# Altium PCB UltraZohm_ADC.PcbDoc (part 1 of 4) (continued)
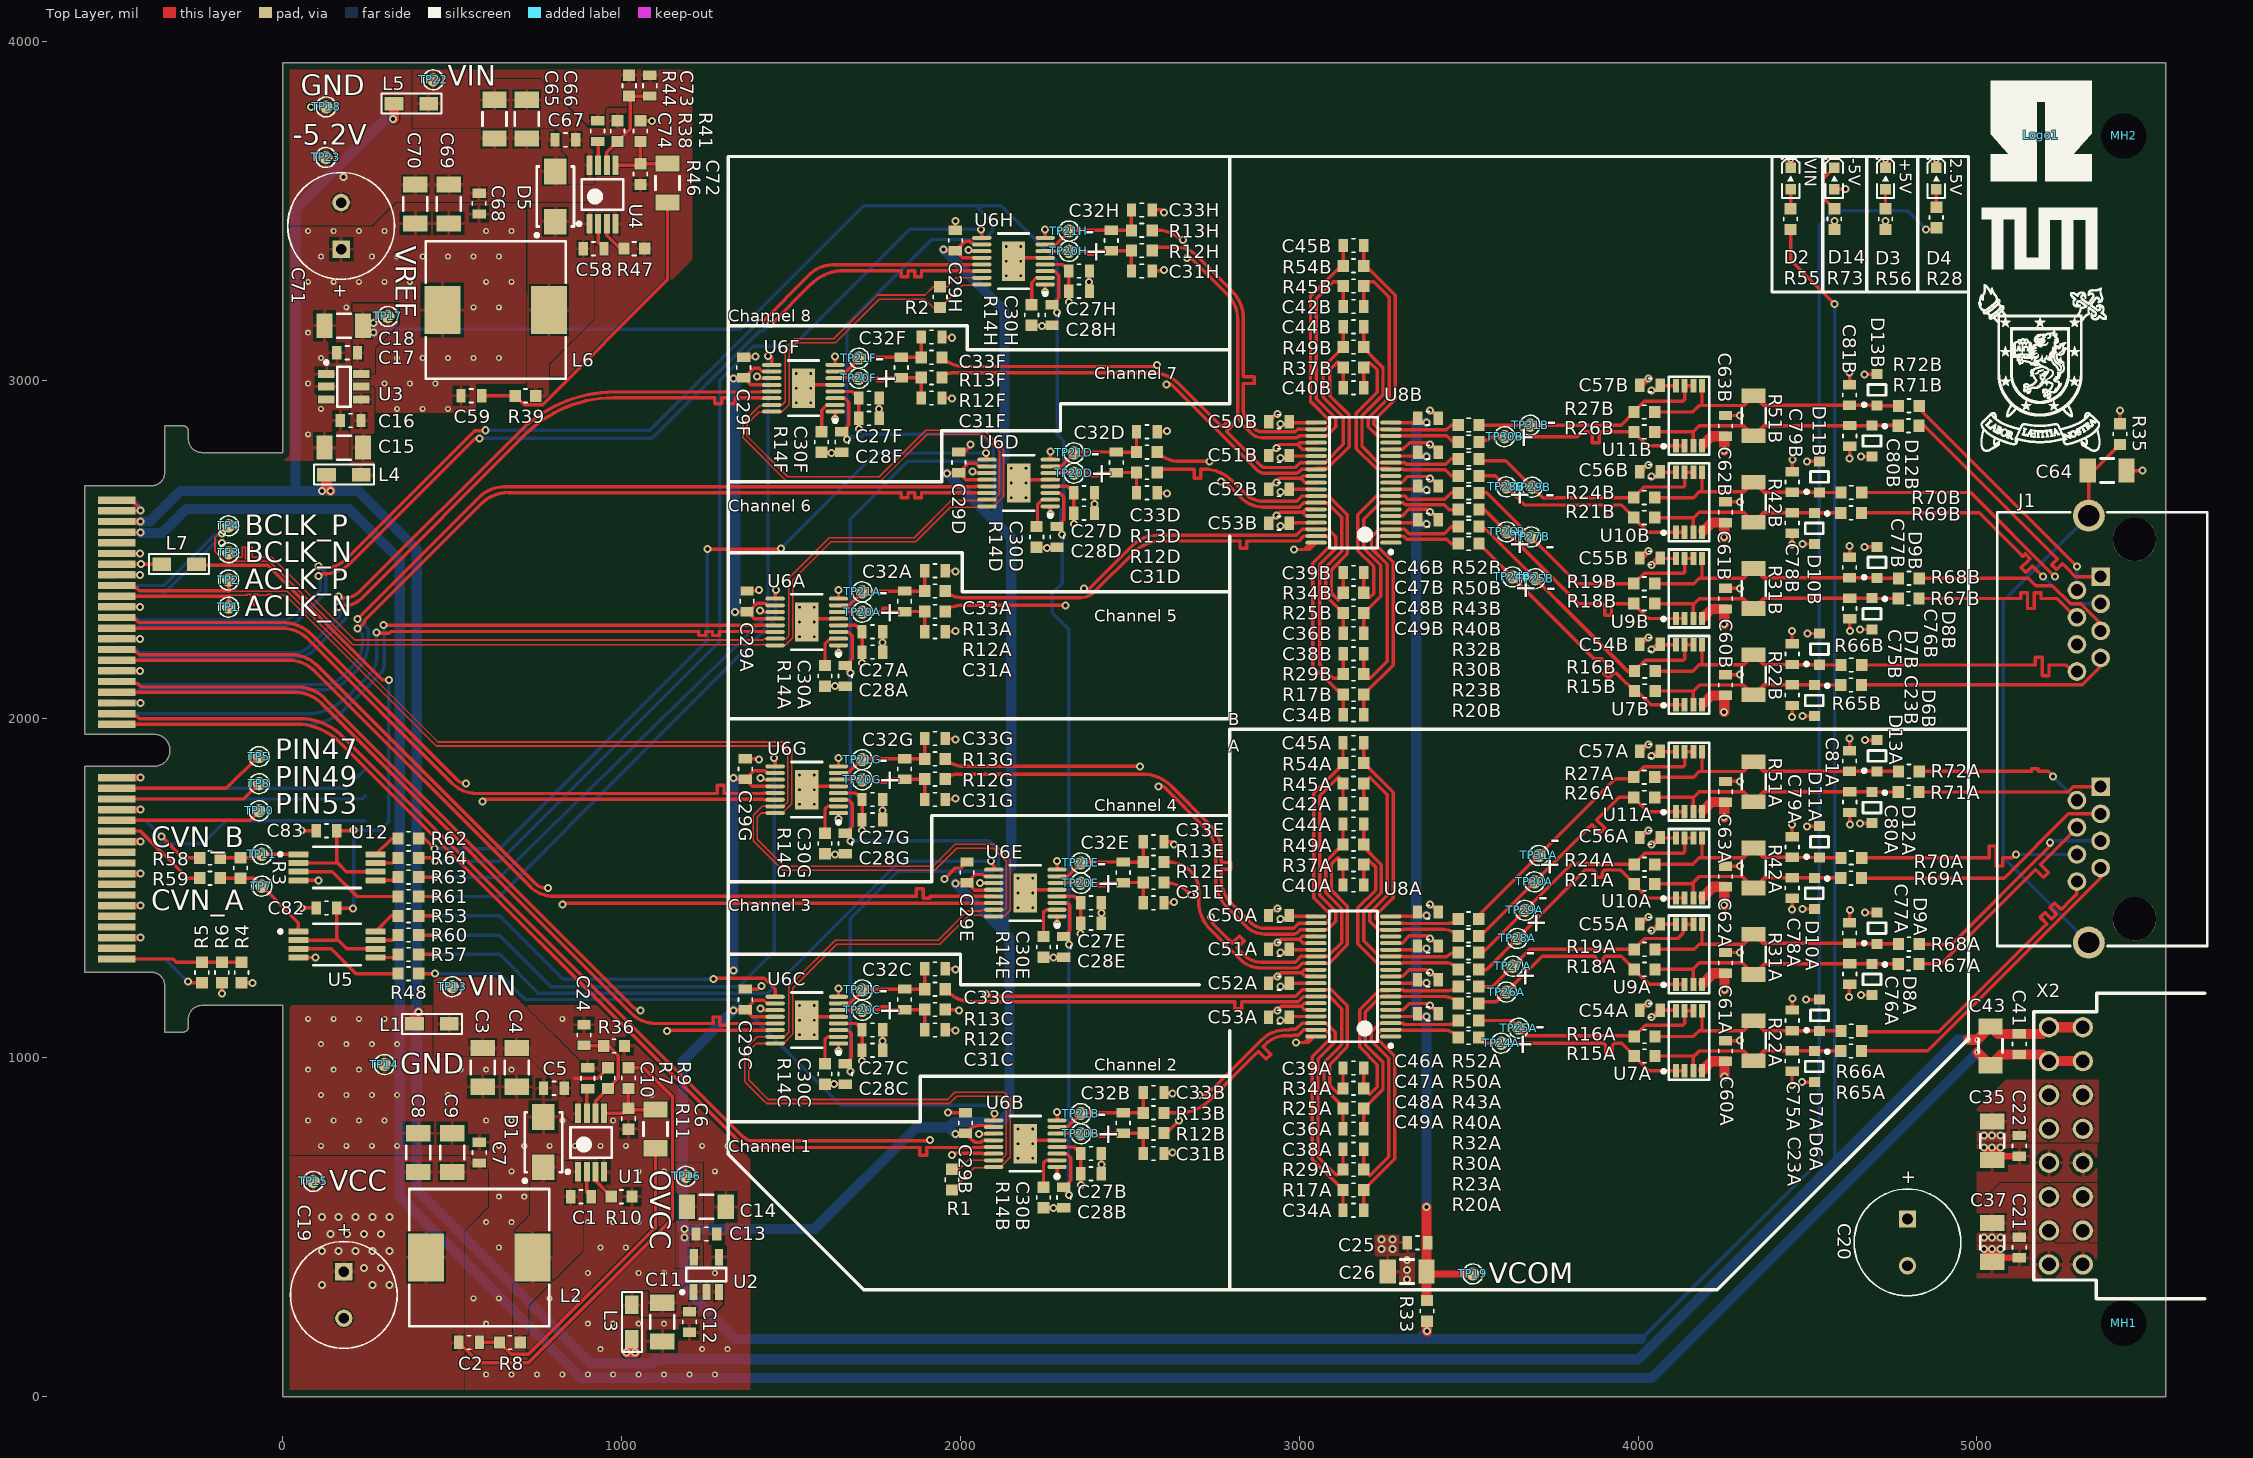
[diagram p0: Top Layer view]
## Design rules (kind name [scope] priority, off if disabled: settings) (continued)
RoomDefinition ADC2 [InComponentClass('ADC2')] p12: confinementstyle=ConfineIn formatcopy=TRUE lockcomponents=FALSE outline 1974.49,737.52 1974.49,877.6 2499.96,877.6 2499.96,938.07 2640.04,938.07 2640.04,677.05 2455.04,677.05 2455.04,617.05 2345.51,617.05 2345.51,517.52 2264.49,517.52 2264.49,519.49 2206.46,519.49 2206.46,630.06 2053.54,630.06 2053.54,737.52
RoomDefinition ADC1 [InComponentClass('ADC1')] p13: confinementstyle=ConfineIn formatcopy=TRUE lockcomponents=FALSE outline 1329.49,2277.17 1329.49,2417.24 1854.96,2417.24 1854.96,2477.72 1995.04,2477.72 1995.04,2216.69 1810.04,2216.69 1810.04,2156.69 1700.51,2156.69 1700.51,2057.17 1619.49,2057.17 1619.49,2059.13 1561.46,2059.13 1561.46,2169.7 1408.54,2169.7 1408.54,2277.17
RoutingVias [All] p1: holewidth=11.81 width=23.62 viastyle="Through Hole" minholewidth=7.87 minwidth=17.72 maxholewidth=31.5 maxwidth=62.99
SilkToSilkClearance [All] p1: silktosilkclearance=0
SilkToSolderMaskClearance [IsPad] p1: minsilkscreentomaskgap=0 clearancetoexposedcopper=TRUE
SolderMaskExpansion [All] p1: expansion=4
Width [All] p1: maxlimit=30 minlimit=3.5 preferedwidth=10
24 further rules are at their usual default settings.

## Classes and differential pairs
net class CVN_B[1..4]: CVN_B1 CVN_B2 CVN_B3 CVN_B4
net class CVN_A[1..4]: CVN_A1 CVN_A2 CVN_A3 CVN_A4
component class ADC1: C27A C28A C29A C30A C31A C32A C33A R12A R13A R14A TP20A TP21A U6A
net class OUT_P[1..8]: OUT_P1 OUT_P2 OUT_P3 OUT_P4 OUT_P5 OUT_P6 OUT_P7 OUT_P8
net class OUT_N[1..8]: OUT_N1 OUT_N2 OUT_N3 OUT_N4 OUT_N5 OUT_N6 OUT_N7 OUT_N8
channel class OpAmp: OpAmp1 OpAmp2
channel class ADC: ADC3 ADC4 ADC5 ADC6 ADC7 ADC8
net class BOUT_P[1..4]: BOUT_P1 BOUT_P2 BOUT_P3 BOUT_P4
net class BOUT_N[1..4]: BOUT_N1 BOUT_N2 BOUT_N3 BOUT_N4
net class AOUT_P[1..4]: AOUT_P1 AOUT_P2 AOUT_P3 AOUT_P4
net class AOUT_N[1..4]: AOUT_N1 AOUT_N2 AOUT_N3 AOUT_N4
net class AIN_B_P[1..4]: AIN_B_P1 AIN_B_P2 AIN_B_P3 AIN_B_P4
net class AIN_B_N[1..4]: AIN_B_N1 AIN_B_N2 AIN_B_N3 AIN_B_N4
net class AIN_A_P[1..4]: AIN_A_P1 AIN_A_P2 AIN_A_P3 AIN_A_P4
net class AIN_A_N[1..4]: AIN_A_N1 AIN_A_N2 AIN_A_N3 AIN_A_N4
component class U_CarrierConnector: C82 C83 L7 R1 R2 R3 R4 R5 R6 R48 R53 R57 R58 R59 R60 R61 R62 R63 R64 TP1 TP2 TP3 TP4 TP5 TP6 TP7 TP8 TP9 TP10 TP11 TP12 U5 U12 X1
component class U_AnalogConnector: C20 C21 C22 C35 C37 C41 C43 C64 D2 D3 D4 D14 J1 Logo1 MH1 MH2 ProjectName R28 R35 R55 R56 R73 Serial1 X2
component class Power: C1 C2 C3 C4 C5 C6 C7 C8 C9 C10 C11 C12 C13 C14 C15 C16 C17 C18 C19 C24 C25 C26 C58 C59 C65 C66 C67 C68 C69 C70 C71 C72 C73 C74 D1 D5 L1 L2 L3 L4 L5 L6 R7 R8 R9 R10 R11 R33 R36 R38 R39 R41 R44 R46 R47 TP13 TP14 TP15 TP16 TP17 TP18 TP19 TP22 TP23 U1 U2 U3 U4
component class OpAmp2: C23B C34B C36B C38B C39B C40B C42B C44B C45B C46B C47B C48B C49B C50B C51B C52B C53B C54B C55B C56B C57B C60B C61B C62B C63B C75B C76B C77B C78B C79B C80B C81B D6B D7B D8B D9B D10B D11B D12B D13B R15B R16B R17B R18B R19B R20B R21B R22B R23B R24B R25B R26B R27B R29B R30B R31B R32B R34B R37B R40B R42B R43B R45B R49B R50B R51B R52B R54B R65B R66B R67B R68B R69B R70B R71B R72B TP24B TP25B TP26B TP27B TP28B TP29B TP30B TP31B U7B U8B U9B U10B U11B
component class OpAmp1: C23A C34A C36A C38A C39A C40A C42A C44A C45A C46A C47A C48A C49A C50A C51A C52A C53A C54A C55A C56A C57A C60A C61A C62A C63A C75A C76A C77A C78A C79A C80A C81A D6A D7A D8A D9A D10A D11A D12A D13A R15A R16A R17A R18A R19A R20A R21A R22A R23A R24A R25A R26A R27A R29A R30A R31A R32A R34A R37A R40A R42A R43A R45A R49A R50A R51A R52A R54A R65A R66A R67A R68A R69A R70A R71A R72A TP24A TP25A TP26A TP27A TP28A TP29A TP30A TP31A U7A U8A U9A U10A U11A
component class ADC8: C27H C28H C29H C30H C31H C32H C33H R12H R13H R14H TP20H TP21H U6H
component class ADC7: C27G C28G C29G C30G C31G C32G C33G R12G R13G R14G TP20G TP21G U6G
component class ADC6: C27F C28F C29F C30F C31F C32F C33F R12F R13F R14F TP20F TP21F U6F
component class ADC5: C27E C28E C29E C30E C31E C32E C33E R12E R13E R14E TP20E TP21E U6E
component class ADC4: C27D C28D C29D C30D C31D C32D C33D R12D R13D R14D TP20D TP21D U6D
component class ADC3: C27C C28C C29C C30C C31C C32C C33C R12C R13C R14C TP20C TP21C U6C
component class ADC2: C27B C28B C29B C30B C31B C32B C33B R12B R13B R14B TP20B TP21B U6B
differential pair AIN_B4: +AIN_B_P4 -AIN_B_N4
differential pair AIN_B3: +AIN_B_P3 -AIN_B_N3
differential pair AIN_B2: +AIN_B_P2 -AIN_B_N2
differential pair AIN_B1: +AIN_B_P1 -AIN_B_N1
differential pair AIN_A4: +AIN_A_P4 -AIN_A_N4
differential pair AIN_A3: +AIN_A_P3 -AIN_A_N3
differential pair AIN_A2: +AIN_A_P2 -AIN_A_N2
differential pair AIN_A1: +AIN_A_P1 -AIN_A_N1
differential pair Buffer4B: +Buffer4B_P -Buffer4B_N
differential pair Buffer4A: +Buffer4A_P -Buffer4A_N
differential pair Buffer3B: +Buffer3B_P -Buffer3B_N
differential pair Buffer3A: +Buffer3A_P -Buffer3A_N
differential pair Buffer2B: +Buffer2B_P -Buffer2B_N
differential pair Buffer2A: +Buffer2A_P -Buffer2A_N
differential pair Buffer1B: +Buffer1B_P -Buffer1B_N
differential pair Buffer1A: +Buffer1A_P -Buffer1A_N
differential pair OUT8: +OUT_P8 -OUT_N8
differential pair OUT7: +OUT_P7 -OUT_N7
differential pair OUT6: +OUT_P6 -OUT_N6
differential pair OUT5: +OUT_P5 -OUT_N5
differential pair OUT4: +OUT_P4 -OUT_N4
differential pair OUT3: +OUT_P3 -OUT_N3
differential pair OUT2: +OUT_P2 -OUT_N2
differential pair OUT1: +OUT_P1 -OUT_N1
differential pair FB4B: +FB4B_P -FB4B_N
differential pair FB4A: +FB4A_P -FB4A_N
differential pair FB3B: +FB3B_P -FB3B_N
differential pair FB3A: +FB3A_P -FB3A_N
differential pair FB2B: +FB2B_P -FB2B_N
differential pair FB2A: +FB2A_P -FB2A_N
differential pair FB1B: +FB1B_P -FB1B_N
differential pair FB1A: +FB1A_P -FB1A_N
differential pair BOUT4: +BOUT_P4 -BOUT_N4
differential pair BOUT3: +BOUT_P3 -BOUT_N3
differential pair BOUT2: +BOUT_P2 -BOUT_N2
differential pair BOUT1: +BOUT_P1 -BOUT_N1
differential pair BCLK: +BCLK_P -BCLK_N
differential pair AOUT4: +AOUT_P4 -AOUT_N4
differential pair AOUT3: +AOUT_P3 -AOUT_N3
differential pair AOUT2: +AOUT_P2 -AOUT_N2
differential pair AOUT1: +AOUT_P1 -AOUT_N1
differential pair ADC_INH: +ADC_INH_P -ADC_INH_N
differential pair ADC_ING: +ADC_ING_P -ADC_ING_N
differential pair ADC_INF: +ADC_INF_P -ADC_INF_N
differential pair ADC_INE: +ADC_INE_P -ADC_INE_N
differential pair ADC_IND: +ADC_IND_P -ADC_IND_N
differential pair ADC_INC: +ADC_INC_P -ADC_INC_N
differential pair ADC_INB: +ADC_INB_P -ADC_INB_N
differential pair ADC_INA: +ADC_INA_P -ADC_INA_N
differential pair ACLK: +ACLK_P -ACLK_N

## Components (designator, comment, footprint, x,y, rotation, side; value= is the part's Value field where it differs from the comment)
C1 "10nF" CAPC1608X07N 880,590 r180 top
C2 "7.5nF" CAPC1608X07N 550,160 r0 top
C3 "10µF" C_1206 590,971.42 r270 top
C4 "10µF" C_1206 690,971.42 r270 top
C5 "100nF" CAPC1608X07N 800,910 r180 top
C6 "0.027µF" C_1206 1100,790 r90 top
C7 "100nF" CAPC1608X07N 580,720 r270 top
C8 "47µF" C_1206 400,720 r90 top
C9 "47µF" C_1206 500,720 r90 top
C10 "1µF" CAPC1608X07N 900,939.53 r90 top
C11 "10µF" C_1206 1120,220 r270 top
C12 "100nF" CAPC1608X07N 1200,220 r270 top
C13 "100nF" CAPC1608X07N 1250,480 r0 top
C14 "47µF" C_1206 1250,560 r0 top
C15 "10µF" C_1206 180,2800.78 r180 top
C16 "100nF" CAPC1608X07N 200,2880.78 r180 top
C17 "100nF" CAPC1608X07N 190,3080.78 r180 top
C18 "47µF" C_1206 180,3160.78 r180 top
C19 "220 uF" WCAP-ATG5_8X11.5X3.5 180,300 r90 top
C20 "220 uF" WCAP-ATG5_8X11.5X3.5 4795,455 r90 top
C21 "100nF" CAPC1608X07N 5125,440 r90 top
C22 "100nF" CAPC1608X07N 5125,740 r90 top
C23A "100pF" CAPC1608X07N 4454.51,990.28 r270 top (schematic designator C23)
C23B "100pF" CAPC1608X07N 4454.51,2070.22 r270 top (schematic designator C23)
C24 "1µF" CAPC1608X07N 889,1067 r90 top
C25 "100nF" CAPC1608X07N 3348.98,454 r180 top
C26 "47µF" C_1206 3317.91,369 r180 top
C27A "100nF" CAPC1608X07N 1740,2257.2 r0 top (schematic designator C27)
C27B "100nF" CAPC1608X07N 2385,717.56 r0 top (schematic designator C27)
C27C "100nF" CAPC1608X07N 1740,1082.2 r0 top (schematic designator C27)
C27D "100nF" CAPC1608X07N 2365,2667.4 r0 top (schematic designator C27)
C27E "100nF" CAPC1608X07N 2385,1457.2 r0 top (schematic designator C27)
C27F "100nF" CAPC1608X07N 1730,2947.2 r0 top (schematic designator C27)
C27G "100nF" CAPC1608X07N 1740,1762.2 r0 top (schematic designator C27)
C27H "100nF" CAPC1608X07N 2350,3322.2 r0 top (schematic designator C27)
C28A "10uF" CAPC1608X07N 1740,2197.2 r0 top (schematic designator C28)
C28B "10uF" CAPC1608X07N 2385,657.56 r0 top (schematic designator C28)
C28C "10uF" CAPC1608X07N 1740,1022.2 r0 top (schematic designator C28)
C28D "10uF" CAPC1608X07N 2365,2607.4 r0 top (schematic designator C28)
C28E "10uF" CAPC1608X07N 2385,1397.2 r0 top (schematic designator C28)
C28F "10uF" CAPC1608X07N 1730,2887.2 r0 top (schematic designator C28)
C28G "10uF" CAPC1608X07N 1740,1702.2 r0 top (schematic designator C28)
C28H "10uF" CAPC1608X07N 2350,3262.2 r0 top (schematic designator C28)
C29A "1uF" CAPC1608X07N 1370,2347.2 r90 top (schematic designator C29)
C29B "1uF" CAPC1608X07N 2015,807.56 r90 top (schematic designator C29)
C29C "1uF" CAPC1608X07N 1365,1172.2 r90 top (schematic designator C29)
C29D "1uF" CAPC1608X07N 1995,2757.4 r90 top (schematic designator C29)
C29E "1uF" CAPC1608X07N 2019,1547.2 r90 top (schematic designator C29)
C29F "1uF" CAPC1608X07N 1360,3037.2 r90 top (schematic designator C29)
C29G "1uF" CAPC1608X07N 1365,1852.2 r90 top (schematic designator C29)
C29H "1uF" CAPC1608X07N 1985,3412.2 r90 top (schematic designator C29)
C30A "10uF" CAPC1608X07N 1660,2127.2 r270 top (schematic designator C30)
C30B "10uF" CAPC1608X07N 2305,587.56 r270 top (schematic designator C30)
C30C "10uF" CAPC1608X07N 1660,952.2 r270 top (schematic designator C30)
C30D "10uF" CAPC1608X07N 2285,2537.4 r270 top (schematic designator C30)
C30E "10uF" CAPC1608X07N 2305,1327.2 r270 top (schematic designator C30)
C30F "10uF" CAPC1608X07N 1650,2817.2 r270 top (schematic designator C30)
C30G "10uF" CAPC1608X07N 1660,1632.2 r270 top (schematic designator C30)
C30H "10uF" CAPC1608X07N 2270,3192.2 r270 top (schematic designator C30)
C31A "680pF" CAPC1608X07N 1925,2257.2 r180 top (schematic designator C31)
C31B "680pF" CAPC1608X07N 2570,717.56 r180 top (schematic designator C31)
C31C "680pF" CAPC1608X07N 1925,1082.2 r180 top (schematic designator C31)
C31D "680pF" CAPC1608X07N 2550,2667.4 r180 top (schematic designator C31)
C31E "680pF" CAPC1608X07N 2570,1457.2 r180 top (schematic designator C31)
C31F "680pF" CAPC1608X07N 1915,2947.2 r180 top (schematic designator C31)
C31G "680pF" CAPC1608X07N 1925,1762.2 r180 top (schematic designator C31)
C31H "680pF" CAPC1608X07N 2535,3322.2 r180 top (schematic designator C31)
C32A "470pF" CAPC1608X07N 1835,2347.2 r90 top (schematic designator C32)
C32B "470pF" CAPC1608X07N 2480,807.56 r90 top (schematic designator C32)
C32C "470pF" CAPC1608X07N 1835,1172.2 r90 top (schematic designator C32)
C32D "470pF" CAPC1608X07N 2460,2757.4 r90 top (schematic designator C32)
C32E "470pF" CAPC1608X07N 2480,1547.2 r90 top (schematic designator C32)
C32F "470pF" CAPC1608X07N 1825,3037.2 r90 top (schematic designator C32)
C32G "470pF" CAPC1608X07N 1835,1852.2 r90 top (schematic designator C32)
C32H "470pF" CAPC1608X07N 2445,3412.2 r90 top (schematic designator C32)
C33A "680pF" CAPC1608X07N 1925,2437.2 r0 top (schematic designator C33)
C33B "680pF" CAPC1608X07N 2570,897.56 r0 top (schematic designator C33)
C33C "680pF" CAPC1608X07N 1925,1262.2 r0 top (schematic designator C33)
C33D "680pF" CAPC1608X07N 2550,2847.4 r0 top (schematic designator C33)
C33E "680pF" CAPC1608X07N 2570,1637.2 r0 top (schematic designator C33)
C33F "680pF" CAPC1608X07N 1915,3127.2 r0 top (schematic designator C33)
C33G "680pF" CAPC1608X07N 1925,1942.2 r0 top (schematic designator C33)
C33H "680pF" CAPC1608X07N 2535,3502.2 r0 top (schematic designator C33)
C34A "56pF" CAPC1608X07N 3159.49,550 r180 top (schematic designator C34)
C34B "56pF" CAPC1608X07N 3160,2012.4 r180 top (schematic designator C34)
C35 "10µF" C_1206 5045,755 r270 top
C36A "56pF" CAPC1608X07N 3159.49,790 r180 top (schematic designator C36)
C36B "56pF" CAPC1608X07N 3160,2252.4 r180 top (schematic designator C36)
C37 "10µF" C_1206 5045,455 r270 top
C38A "56pF" CAPC1608X07N 3159.49,730 r180 top (schematic designator C38)
C38B "56pF" CAPC1608X07N 3160,2192.4 r180 top (schematic designator C38)
C39A "56pF" CAPC1608X07N 3159.49,970 r180 top (schematic designator C39)
C39B "56pF" CAPC1608X07N 3160,2432.4 r180 top (schematic designator C39)
C40A "56pF" CAPC1608X07N 3159.49,1510 r180 top (schematic designator C40)
C40B "56pF" CAPC1608X07N 3160,2977.4 r180 top (schematic designator C40)
C41 "100nF" CAPC1608X07N 5125,1040 r90 top
C42A "56pF" CAPC1608X07N 3159.49,1750 r180 top (schematic designator C42)
C42B "56pF" CAPC1608X07N 3160,3217.4 r180 top (schematic designator C42)
C43 "10µF" C_1206 5040,1035 r270 top
C44A "56pF" CAPC1608X07N 3159.49,1690 r180 top (schematic designator C44)
C44B "56pF" CAPC1608X07N 3160,3157.4 r180 top (schematic designator C44)
C45A "56pF" CAPC1608X07N 3159.49,1930 r180 top (schematic designator C45)
C45B "56pF" CAPC1608X07N 3160,3397.4 r180 top (schematic designator C45)
C46A "100nF" CAPC1608X07N 3379.49,1430 r0 top (schematic designator C46)
C46B "100nF" CAPC1608X07N 3380,2887.4 r0 top (schematic designator C46)
C47A "100nF" CAPC1608X07N 3379.49,1330 r0 top (schematic designator C47)
C47B "100nF" CAPC1608X07N 3380,2787.4 r0 top (schematic designator C47)
C48A "100nF" CAPC1608X07N 3379.49,1230 r0 top (schematic designator C48)
C48B "100nF" CAPC1608X07N 3380,2687.4 r0 top (schematic designator C48)
C49A "100nF" CAPC1608X07N 3379.49,1130 r0 top (schematic designator C49)
C49B "100nF" CAPC1608X07N 3380,2587.4 r0 top (schematic designator C49)
C50A "100nF" CAPC1608X07N 2939.49,1420 r180 top (schematic designator C50)
C50B "100nF" CAPC1608X07N 2940,2877.4 r180 top (schematic designator C50)
C51A "100nF" CAPC1608X07N 2939.49,1320 r180 top (schematic designator C51)
C51B "100nF" CAPC1608X07N 2940,2777.4 r180 top (schematic designator C51)
C52A "100nF" CAPC1608X07N 2939.49,1220 r180 top (schematic designator C52)
C52B "100nF" CAPC1608X07N 2940,2677.4 r180 top (schematic designator C52)
C53A "100nF" CAPC1608X07N 2939.49,1120 r180 top (schematic designator C53)
C53B "100nF" CAPC1608X07N 2940,2577.4 r180 top (schematic designator C53)
C54A "100nF" CAPC1608X07N 4035,1140 r180 top (schematic designator C54)
C54B "100nF" CAPC1608X07N 4035,2220 r180 top (schematic designator C54)
C55A "100nF" CAPC1608X07N 4035,1395 r180 top (schematic designator C55)
C55B "100nF" CAPC1608X07N 4035,2475 r180 top (schematic designator C55)
C56A "100nF" CAPC1608X07N 4035,1650 r180 top (schematic designator C56)
C56B "100nF" CAPC1608X07N 4035,2730 r180 top (schematic designator C56)
C57A "100nF" CAPC1608X07N 4035,1905 r180 top (schematic designator C57)
C57B "100nF" CAPC1608X07N 4035,2985 r180 top (schematic designator C57)
C58 "10nF" CAPC1608X07N 917.2,3387.6 r0 top
C59 "dnp" CAPC1608X07N 556.2,2953.78 r0 top
C60A "100nF" CAPC1608X07N 4258,1020 r270 top (schematic designator C60)
C60B "100nF" CAPC1608X07N 4258,2100 r270 top (schematic designator C60)
C61A "100nF" CAPC1608X07N 4258,1280 r270 top (schematic designator C61)
C61B "100nF" CAPC1608X07N 4258,2355 r270 top (schematic designator C61)
C62A "100nF" CAPC1608X07N 4258,1535 r270 top (schematic designator C62)
C62B "100nF" CAPC1608X07N 4258,2610 r270 top (schematic designator C62)
C63A "100nF" CAPC1608X07N 4258,1785 r270 top (schematic designator C63)
C63B "100nF" CAPC1608X07N 4258,2865 r270 top (schematic designator C63)
C64 "100pF" C_1206 5384,2733 r0 top
C65 "10µF" C_1206 624.79,3770.35 r270 top
C66 "10µF" C_1206 719.79,3770.35 r270 top
C67 "100nF" CAPC1608X07N 833.79,3709.13 r180 top
C68 "100nF" CAPC1608X07N 579.2,3520.78 r270 top
C69 "47µF" C_1206 489.7,3519.78 r90 top
C70 "47µF" C_1206 391.2,3519.78 r90 top
C71 "220µF" WCAP-ATG5_8x11.5x3.5 172,3455 r270 top value="220 µF"
C72 "dnp" C_1206 1135.2,3581.78 r270 top
C73 "1µF" CAPC1608X07N 1083.2,3868.78 r90 top
C74 "1µF" CAPC1608X07N 929.2,3734.83 r90 top
C75A "100pF" CAPC1608X07N 4455,1110.28 r90 top (schematic designator C75)
C75B "100pF" CAPC1608X07N 4455,2191.28 r90 top (schematic designator C75)
C76A "100pF" CAPC1608X07N 4624.51,1247.28 r270 top (schematic designator C76)
C76B "100pF" CAPC1608X07N 4624.51,2325.8 r270 top (schematic designator C76)
C77A "100pF" CAPC1608X07N 4624,1368 r90 top (schematic designator C77)
C77B "100pF" CAPC1608X07N 4624,2447 r90 top (schematic designator C77)
C78A "100pF" CAPC1608X07N 4454.51,1501.13 r270 top (schematic designator C78)
C78B "100pF" CAPC1608X07N 4454.51,2578.28 r270 top (schematic designator C78)
C79A "100pF" CAPC1608X07N 4455,1622.25 r90 top (schematic designator C79)
C79B "100pF" CAPC1608X07N 4455,2699.28 r90 top (schematic designator C79)
C80A "100pF" CAPC1608X07N 4624.51,1754.28 r270 top (schematic designator C80)
C80B "100pF" CAPC1608X07N 4624.51,2835.28 r270 top (schematic designator C80)
C81A "100pF" CAPC1608X07N 4624,1876 r90 top (schematic designator C81)
C81B "100pF" CAPC1608X07N 4624,2956 r90 top (schematic designator C81)
C82 "100nF" CAPC1608X07N 129,1442 r180 top
C83 "100nF" CAPC1608X07N 128.82,1670 r180 top
D1 "BYS12-90" DIOM4227X23N 770,750 r90 top
D2 "150060BS75000" WL-SMCW_0603 4450,3595 r270 top
D3 "150060GS75000" WL-SMCW_0603 4730,3595 r270 top
D4 "150060RS75000" WL-SMCW_0603 4880,3595 r270 top
D5 "BYS12-90" DIOM4227X23N 805.2,3540.78 r90 top
D6A "GBLC05CI" SOD-323_SuppressorDiode 4520.17,974.22 r270 top (schematic designator D6)
D6B "GBLC05CI" SOD-323_SuppressorDiode 4520.17,2054.22 r270 top (schematic designator D6)
D7A "GBLC05CI" SOD-323_SuppressorDiode 4535,1125.28 r90 top (schematic designator D7)
D7B "GBLC05CI" SOD-323_SuppressorDiode 4535,2205.98 r90 top (schematic designator D7)
D8A "GBLC05CI" SOD-323_SuppressorDiode 4690.17,1231.28 r270 top (schematic designator D8)
D8B "GBLC05CI" SOD-323_SuppressorDiode 4690.17,2310.28 r270 top (schematic designator D8)
D9A "GBLC05CI" SOD-323_SuppressorDiode 4705,1382.28 r90 top (schematic designator D9)
D9B "GBLC05CI" SOD-323_SuppressorDiode 4705,2462.09 r90 top (schematic designator D9)
D10A "GBLC05CI" SOD-323_SuppressorDiode 4520.17,1485.13 r270 top (schematic designator D10)
D10B "GBLC05CI" SOD-323_SuppressorDiode 4520.17,2562.28 r270 top (schematic designator D10)
D11A "GBLC05CI" SOD-323_SuppressorDiode 4535,1637.25 r90 top (schematic designator D11)
D11B "GBLC05CI" SOD-323_SuppressorDiode 4535,2714.28 r90 top (schematic designator D11)
D12A "GBLC05CI" SOD-323_SuppressorDiode 4690.17,1738.28 r270 top (schematic designator D12)
D12B "GBLC05CI" SOD-323_SuppressorDiode 4690.17,2820.28 r270 top (schematic designator D12)
D13A "GBLC05CI" SOD-323_SuppressorDiode 4705,1891.22 r90 top (schematic designator D13)
D13B "GBLC05CI" SOD-323_SuppressorDiode 4705,2971.28 r90 top (schematic designator D13)
D14 "150060YS75020" WL-SMCW_0603 4579,3595 r270 top
J1 "RJHSE-5380-02" RJHSE-5380-02 5465,1410 r90 top
L1 "600Ω" "WE-CBF_0805_HIGH CURRENT" 440,1100 r0 top value=600O
L2 "150µH" SMT_INDUCTOR_1050_PERFORMANCE 580,410 r270 top
L3 "600Ω" "WE-CBF_0805_HIGH CURRENT" 1030,220 r90 top value=600O
L4 "600Ω" "WE-CBF_0805_HIGH CURRENT" 180,2720.78 r0 top value=600O
L5 "600Ω" "WE-CBF_0805_High Current" 379.2,3815.78 r0 top value=600O
L6 "150µH" SMT_inductor_1050_Performance 628.2,3206.78 r270 top
L7 "600Ω" "WE-CBF_0805_High Current" -306,2456.69 r180 top value=600O
Logo1 "" LOGO_PARTNERS_1 5189,3722 r0 top
MH1 "mounting hole 3,4mm" MH_3.4#1 5400,157 r0 top
MH2 "mounting hole 3,4mm" MH_3.4#2 5400,3718 r0 top
ProjectName "Project Name, Rev" ID_PROJECTREV 5350,3650 r180 bottom
R1 "100R" RESC1608X06N 1975,640 r270 top
R2 "100R" RESC1608X06N 1940,3245 r270 top
R3 "0R" RESC1608X06N -125,1560 r90 top
R4 "0R" RESC1608X06N -121.49,1251.57 r90 top
R5 "0R" RESC1608X06N -239,1251.57 r270 top
R6 "0R" RESC1608X06N -180,1251.57 r90 top
R7 "162k" RESC1608X06N 960,940 r270 top
R8 "75k" RESC1608X06N 670,160 r180 top
R9 "1.10k" RESC1608X06N 1020,940 r90 top
R10 "133k" RESC1608X06N 1000,590 r180 top
R11 "1.02k" RESC1608X06N 1020,820 r90 top
R12A "24R9" RESC1608X06N 1925,2317.2 r180 top (schematic designator R12)
R12B "24R9" RESC1608X06N 2570,777.56 r180 top (schematic designator R12)
R12C "24R9" RESC1608X06N 1925,1142.2 r180 top (schematic designator R12)
R12D "24R9" RESC1608X06N 2550,2727.4 r180 top (schematic designator R12)
R12E "24R9" RESC1608X06N 2570,1517.2 r180 top (schematic designator R12)
R12F "24R9" RESC1608X06N 1915,3007.2 r180 top (schematic designator R12)
R12G "24R9" RESC1608X06N 1925,1822.2 r180 top (schematic designator R12)
R12H "24R9" RESC1608X06N 2535,3382.2 r180 top (schematic designator R12)
R13A "24R9" RESC1608X06N 1925,2377.2 r180 top (schematic designator R13)
R13B "24R9" RESC1608X06N 2570,837.56 r180 top (schematic designator R13)
R13C "24R9" RESC1608X06N 1925,1202.2 r180 top (schematic designator R13)
R13D "24R9" RESC1608X06N 2550,2787.4 r180 top (schematic designator R13)
R13E "24R9" RESC1608X06N 2570,1577.2 r180 top (schematic designator R13)
R13F "24R9" RESC1608X06N 1915,3067.2 r180 top (schematic designator R13)
R13G "24R9" RESC1608X06N 1925,1882.2 r180 top (schematic designator R13)
R13H "24R9" RESC1608X06N 2535,3442.2 r180 top (schematic designator R13)
R14A "0R" RESC1608X06N 1600,2127.2 r90 top (schematic designator R14)
R14B "0R" RESC1608X06N 2245,587.56 r90 top (schematic designator R14)
R14C "0R" RESC1608X06N 1600,952.2 r90 top (schematic designator R14)
R14D "0R" RESC1608X06N 2225,2537.4 r90 top (schematic designator R14)
R14E "0R" RESC1608X06N 2245,1327.2 r90 top (schematic designator R14)
R14F "0R" RESC1608X06N 1590,2817.2 r90 top (schematic designator R14)
R14G "0R" RESC1608X06N 1600,1632.2 r90 top (schematic designator R14)
R14H "0R" RESC1608X06N 2210,3192.2 r90 top (schematic designator R14)
R15A "0R" RESC1608X06N 4019,1005.04 r180 top (schematic designator R15)
R15B "0R" RESC1608X06N 4019.5,2082.28 r180 top (schematic designator R15)
R16A "0R" RESC1608X06N 4019,1062.83 r180 top (schematic designator R16)
R16B "0R" RESC1608X06N 4019.5,2140.99 r180 top (schematic designator R16)
R17A "1k" RESC1608X06N 3159.49,610 r180 top (schematic designator R17)
R17B "1k" RESC1608X06N 3160,2072.4 r180 top (schematic designator R17)
R18A "0R" RESC1608X06N 4019,1261 r180 top (schematic designator R18)
R18B "0R" RESC1608X06N 4018,2340 r180 top (schematic designator R18)
R19A "0R" RESC1608X06N 4019,1320 r180 top (schematic designator R19)
R19B "0R" RESC1608X06N 4018,2399 r180 top (schematic designator R19)
R20A "1k" RESC1608X06N 3499.49,1060 r180 top (schematic designator R20)
R20B "1k" RESC1608X06N 3500,2517.4 r180 top (schematic designator R20)
R21A "0R" RESC1608X06N 4018.59,1513.23 r180 top (schematic designator R21)
R21B "0R" RESC1608X06N 4018,2594 r180 top (schematic designator R21)
R22A "200R" RESC3216X65N 4341,1050 r270 top (schematic designator R22)
R22B "200R" RESC3216X65N 4341,2130 r270 top (schematic designator R22)
R23A "1k" RESC1608X06N 3499.49,1110 r0 top (schematic designator R23)
R23B "1k" RESC1608X06N 3500,2567.4 r0 top (schematic designator R23)
R24A "0R" RESC1608X06N 4018.59,1571 r180 top (schematic designator R24)
R24B "0R" RESC1608X06N 4018,2653 r180 top (schematic designator R24)
R25A "1k" RESC1608X06N 3159.49,850 r180 top (schematic designator R25)
R25B "1k" RESC1608X06N 3160,2312.4 r180 top (schematic designator R25)
R26A "0R" RESC1608X06N 4018,1768 r180 top (schematic designator R26)
R26B "0R" RESC1608X06N 4018.06,2847.28 r180 top (schematic designator R26)
R27A "0R" RESC1608X06N 4018,1828 r180 top (schematic designator R27)
R27B "0R" RESC1608X06N 4018.06,2906 r180 top (schematic designator R27)
R28 "2.49k" RESC1608X06N 4880,3480 r270 top
R29A "1k" RESC1608X06N 3159.49,670 r180 top (schematic designator R29)
R29B "1k" RESC1608X06N 3160,2132.4 r180 top (schematic designator R29)
R30A "1k" RESC1608X06N 3499.49,1160 r180 top (schematic designator R30)
R30B "1k" RESC1608X06N 3500,2617.4 r180 top (schematic designator R30)
R31A "200R" RESC3216X65N 4341,1305 r270 top (schematic designator R31)
R31B "200R" RESC3216X65N 4341,2385 r270 top (schematic designator R31)
R32A "1k" RESC1608X06N 3499.49,1210 r0 top (schematic designator R32)
R32B "1k" RESC1608X06N 3500,2667.4 r0 top (schematic designator R32)
R33 "0R" RESC1608X06N 3377,253 r270 top
R34A "1k" RESC1608X06N 3159.49,910 r180 top (schematic designator R34)
R34B "1k" RESC1608X06N 3160,2372.4 r180 top (schematic designator R34)
R35 "1M" RESC1608X06N 5422,2840.49 r270 top
R36 "dnp" RESC1608X06N 978,1035 r180 top
R37A "1k" RESC1608X06N 3159.49,1570 r180 top (schematic designator R37)
R37B "1k" RESC1608X06N 3160,3037.4 r180 top (schematic designator R37)
R38 "162k" RESC1608X06N 988.2,3734.78 r90 top
R39 "dnp" RESC1608X06N 716.2,2953.78 r0 top
R40A "1k" RESC1608X06N 3499.49,1260 r180 top (schematic designator R40)
R40B "1k" RESC1608X06N 3500,2717.4 r180 top (schematic designator R40)
R41 "1.10k" RESC1608X06N 1055.2,3734.78 r270 top
R42A "200R" RESC3216X65N 4341,1560 r270 top (schematic designator R42)
R42B "200R" RESC3216X65N 4341,2639.49 r270 top (schematic designator R42)
R43A "1k" RESC1608X06N 3499.49,1310 r0 top (schematic designator R43)
R43B "1k" RESC1608X06N 3500,2767.4 r0 top (schematic designator R43)
R44 "dnp" RESC1608X06N 1022.2,3868.78 r270 top
R45A "1k" RESC1608X06N 3159.49,1810 r180 top (schematic designator R45)
R45B "1k" RESC1608X06N 3160,3277.4 r180 top (schematic designator R45)
R46 "1.02k" RESC1608X06N 1055.2,3607.78 r270 top
R47 "133k" RESC1608X06N 1037.2,3387.78 r180 top
R48 "40.2R" RESC1608X06N 370.36,1248 r0 top
R49A "1k" RESC1608X06N 3159.49,1630 r180 top (schematic designator R49)
R49B "1k" RESC1608X06N 3160,3097.4 r180 top (schematic designator R49)
R50A "1k" RESC1608X06N 3499.49,1360 r180 top (schematic designator R50)
R50B "1k" RESC1608X06N 3500,2817.4 r180 top (schematic designator R50)
R51A "200R" RESC3216X65N 4341,1815 r270 top (schematic designator R51)
R51B "200R" RESC3216X65N 4341,2895 r270 top (schematic designator R51)
R52A "1k" RESC1608X06N 3499.49,1410 r0 top (schematic designator R52)
R52B "1k" RESC1608X06N 3500,2867.4 r0 top (schematic designator R52)
R53 "40.2R" RESC1608X06N 370.36,1419 r0 top
R54A "1k" RESC1608X06N 3159.49,1870 r180 top (schematic designator R54)
R54B "1k" RESC1608X06N 3160,3337.4 r180 top (schematic designator R54)
R55 "24.9k" RESC1608X06N 4450,3475 r270 top
R56 "5.11k" RESC1608X06N 4730,3475 r270 top
R57 "40.2R" RESC1608X06N 370.36,1305 r0 top
R58 "0R" RESC1608X06N -215,1590 r0 top
R59 "0R" RESC1608X06N -215,1530 r180 top
R60 "40.2R" RESC1608X06N 370.36,1362 r0 top
R61 "40.2R" RESC1608X06N 370.36,1476 r0 top
R62 "40.2R" RESC1608X06N 370.36,1647 r0 top
R63 "40.2R" RESC1608X06N 370.36,1533 r0 top
R64 "40.2R" RESC1608X06N 370.36,1590 r0 top
R65A "100R" RESC1608X06N 4628.51,1020.28 r180 top (schematic designator R65)
R65B "100R" RESC1608X06N 4628.51,2100.28 r180 top (schematic designator R65)
R66A "100R" RESC1608X06N 4629,1079.28 r180 top (schematic designator R66)
R66B "100R" RESC1608X06N 4629,2159.28 r180 top (schematic designator R66)
R67A "100R" RESC1608X06N 4798.51,1277.28 r180 top (schematic designator R67)
R67B "100R" RESC1608X06N 4798.51,2355.28 r180 top (schematic designator R67)
R68A "100R" RESC1608X06N 4799,1335.28 r180 top (schematic designator R68)
R68B "100R" RESC1608X06N 4799,2415.09 r180 top (schematic designator R68)
R69A "100R" RESC1608X06N 4628.51,1530.13 r180 top (schematic designator R69)
R69B "100R" RESC1608X06N 4628.51,2608.28 r180 top (schematic designator R69)
R70A "100R" RESC1608X06N 4629,1590.25 r180 top (schematic designator R70)
R70B "100R" RESC1608X06N 4629,2668.28 r180 top (schematic designator R70)
R71A "100R" RESC1608X06N 4798.51,1784.28 r180 top (schematic designator R71)
R71B "100R" RESC1608X06N 4798.51,2865.28 r180 top (schematic designator R71)
R72A "100R" RESC1608X06N 4799,1845.28 r180 top (schematic designator R72)
R72B "100R" RESC1608X06N 4799,2924.28 r180 top (schematic designator R72)
R73 "5.11k" RESC1608X06N 4579,3475 r90 top
Serial1 "Serialnumber 6,3 x 6.3mm" SERIAL_6.3X6.3MM 5320,3470 r180 bottom
TP1 "ACLK_N" TP_1MM -160,2330 r0 top value="Testpoint 1mm"
TP2 "ACLK_P" TP_1MM -160,2410 r0 top value="Testpoint 1mm"
TP3 "BCLK_N" TP_1MM -160,2490 r0 top value="Testpoint 1mm"
TP4 "BCLK_P" TP_1MM -160,2570 r0 top value="Testpoint 1mm"
TP5 "PIN47" TP_1MM -70,1889 r0 top value="Testpoint 1mm"
TP6 "PIN48" TP_1MM 243,1849 r180 bottom value="Testpoint 1mm"
TP7 "CVN_A" TP_1MM -62,1506.49 r0 top value="Testpoint 1mm"
TP8 "PIN49" TP_1MM -70,1809 r0 top value="Testpoint 1mm"
TP9 "PIN50" TP_1MM 243,1773 r180 bottom value="Testpoint 1mm"
TP10 "PIN53" TP_1MM -70,1729 r0 top value="Testpoint 1mm"
TP11 "CVN_B" TP_1MM -62,1600.39 r0 top value="Testpoint 1mm"
TP12 "PIN56" TP_1MM 242,1700 r180 bottom value="Testpoint 1mm"
TP13 "VIN" TP_1MM 500,1210 r0 top value="Testpoint 1mm"
TP14 "GND" TP_1MM 300,980 r0 top value="Testpoint 1mm"
TP15 "VCC" TP_1MM 90,635 r0 top value="Testpoint 1mm"
TP16 "OVCC" TP_1MM 1190,650 r0 top value="Testpoint 1mm"
TP17 "VREF" TP_1MM 310,3187.78 r0 top value="Testpoint 1mm"
TP18 "GND" TP_1mm 127.91,3806.21 r0 top value="Testpoint 1mm"
TP19 "VCOM" TP_1MM 3512,362 r0 top value="Testpoint 1mm"
TP20A "+" TP_1mm 1710,2315 r0 top (schematic designator TP20)
TP20B "+" TP_1mm 2355,775.35 r0 top (schematic designator TP20)
TP20C "+" TP_1mm 1710,1140 r0 top (schematic designator TP20)
TP20D "+" TP_1mm 2335,2725.2 r0 top (schematic designator TP20)
TP20E "+" TP_1mm 2355,1515 r0 top (schematic designator TP20)
TP20F "+" TP_1mm 1700,3005 r0 top (schematic designator TP20)
TP20G "+" TP_1mm 1710,1820 r0 top (schematic designator TP20)
TP20H "+" TP_1mm 2320,3380 r0 top (schematic designator TP20)
TP21A "-" TP_1mm 1710,2375 r0 top (schematic designator TP21)
TP21B "-" TP_1mm 2355,835.35 r0 top (schematic designator TP21)
TP21C "-" TP_1mm 1710,1200 r0 top (schematic designator TP21)
TP21D "-" TP_1mm 2335,2785.2 r0 top (schematic designator TP21)
TP21E "-" TP_1mm 2355,1575 r0 top (schematic designator TP21)
TP21F "-" TP_1mm 1700,3065 r0 top (schematic designator TP21)
TP21G "-" TP_1mm 1710,1880 r0 top (schematic designator TP21)
TP21H "-" TP_1mm 2320,3440 r0 top (schematic designator TP21)
TP22 "VIN" TP_1mm 444,3886 r0 top value="Testpoint 1mm"
TP23 "-5.2V" TP_1mm 127,3657 r0 top value="Testpoint 1mm"
TP24A "+" TP_1mm 3596,1043 r90 top (schematic designator TP24)
TP24B "+" TP_1mm 3629,2418.91 r90 top (schematic designator TP24)
TP25A "-" TP_1mm 3647.5,1087.5 r90 top (schematic designator TP25)
TP25B "-" TP_1mm 3696,2414 r90 top (schematic designator TP25)
TP26A "+" TP_1mm 3611,1194 r90 top (schematic designator TP26)
TP26B "+" TP_1mm 3612,2551.91 r90 top (schematic designator TP26)
TP27A "-" TP_1mm 3630,1270 r90 top (schematic designator TP27)
TP27B "-" TP_1mm 3684,2537 r90 top (schematic designator TP27)
TP28A "+" TP_1mm 3643.13,1352 r90 top (schematic designator TP28)
TP28B "+" TP_1mm 3610.96,2685 r90 top (schematic designator TP28)
TP29A "-" TP_1mm 3666,1435 r90 top (schematic designator TP29)
TP29B "-" TP_1mm 3687,2684 r90 top (schematic designator TP29)
TP30A "+" TP_1mm 3694,1519 r90 top (schematic designator TP30)
TP30B "+" TP_1mm 3606,2833 r90 top (schematic designator TP30)
TP31A "-" TP_1mm 3707,1597 r90 top (schematic designator TP31)
TP31B "-" TP_1mm 3681,2867 r90 top (schematic designator TP31)
U1 "LM5007" TSOP65P490X110-8N 910,750 r90 top
U2 "TLV741P" SOT95P250X110-5N 1250,360 r90 top
U3 "LT6654" SOT95P280X100-6N 180,2980.78 r0 top
U4 "LM5007" TSOP65P490X110-8N 943.2,3547.78 r90 top
U5 "CDCLVC1104" FP-PW0008A-MFG 160,1334.2 r0 top
U6A "LTC2311" TSSOP50P510X110_HS-17N 1546.5,2286.1 r180 top (schematic designator U6)
U6B "LTC2311" TSSOP50P510X110_HS-17N 2191.5,746.46 r180 top (schematic designator U6)
U6C "LTC2311" TSSOP50P510X110_HS-17N 1546.5,1111.1 r180 top (schematic designator U6)
U6D "LTC2311" TSSOP50P510X110_HS-17N 2171.5,2696.3 r180 top (schematic designator U6)
U6E "LTC2311" TSSOP50P510X110_HS-17N 2191.5,1486.1 r180 top (schematic designator U6)
U6F "LTC2311" TSSOP50P510X110_HS-17N 1536.5,2976.1 r180 top (schematic designator U6)
U6G "LTC2311" TSSOP50P510X110_HS-17N 1546.5,1791.1 r180 top (schematic designator U6)
U6H "LTC2311" TSSOP50P510X110_HS-17N 2156.5,3351.1 r180 top (schematic designator U6)
U7A "LT6203" MSOP8_3X3-8N 4150,1050 r90 top (schematic designator U7)
U7B "LT6203" MSOP8_3X3-8N 4150,2130 r90 top (schematic designator U7)
U8A "THS4524" "THS4524 FOOTPRINT" 3159.49,1240 r180 top (schematic designator U8)
U8B "THS4524" "THS4524 FOOTPRINT" 3160,2697.4 r180 top (schematic designator U8)
U9A "LT6203" MSOP8_3x3-8N 4150,1305 r90 top (schematic designator U9)
U9B "LT6203" MSOP8_3x3-8N 4150,2385 r90 top (schematic designator U9)
U10A "LT6203" MSOP8_3x3-8N 4150,1560 r90 top (schematic designator U10)
U10B "LT6203" MSOP8_3x3-8N 4150,2639.49 r90 top (schematic designator U10)
U11A "LT6203" MSOP8_3x3-8N 4150,1815 r90 top (schematic designator U11)
U11B "LT6203" MSOP8_3x3-8N 4150,2895 r90 top (schematic designator U11)
U12 "CDCLVC1104" FP-PW0008A-MFG 160,1562 r0 top
X1 "HSEC8-140-01-XX-DV-A-BL-CARD" HSEC8-140-01-XX-DV-A-BL-CARD -584.49,1968.5 r270 bottom
X2 "CurrentFootprint" IPL1-108-01-L-D-RA-K 5262.56,740 r270 top

## Footprints (in the part's own frame and the unit in brackets; to place one, negate y for a bottom-side part, rotate by r counter-clockwise, add the part's x,y. Pads: shape width x height; smd on the part's side, far side on the other; paste and mask are expansions set on the pad)
C_1206 [mm]
  rect 1.21x1.82 smd: 1(1.45,0) 2(-1.45,0)
  silkscreen extent -0.5,-0.9 0.5,0.9, body extent -1.6,-0.81 1.6,0.81, height 1.82
CAPC1608X07N [mm] "Chip Capacitor, 2-Leads, Body 1,60x0,80mm, IPC Medium Density"
  rect 0.7x1 smd: 1(-0.775,0) 2(0.775,0)
  silkscreen extent -0.13,-0.51 0.13,0.51, body extent -0.88,-0.48 0.88,0.47, height 0.7
DIOM4227X23N [mm] "Molded Diode, 2-Leads, Body 4,25x2,67mm, IPC Medium Density"
  rect 1.92x1.68 smd: 1(-1.854,0.023) 2(1.906,0.023)
  silkscreen extent -3,-1.38 2.28,1.54, body extent -2.44,-1.37 2.5,1.42, height 2.29
FP-PW0008A-MFG [mm]
  rrect22% 1.5x0.45 smd paste+0 mask+0: 1(-2.9,0.975) 2(-2.9,0.325) 3(-2.9,-0.325) 4(-2.9,-0.975) 5(2.9,-0.975) 6(2.9,-0.325) 7(2.9,0.325) 8(2.9,0.975)
  silkscreen extent -4.37,-1.55 1.77,1.55, body extent -3.2,-1.5 3.2,1.5, height 1.2
HSEC8-140-01-XX-DV-A-BL-CARD [mm]
  rect 0.55x2.8 smd far side mask+0.05: 1(-17.2,-2.4) 3(-16.4,-2.4) 5(-15.6,-2.4) 7(-14.8,-2.4) 9(-14,-2.4) 11(-13.2,-2.4) 13(-12.4,-2.4) 15(-11.6,-2.4) 17(-10.8,-2.4) 19(-10,-2.4) 21(-9.2,-2.4) 23(-8.4,-2.4) 25(-7.6,-2.4) 27(-6.8,-2.4) 29(-6,-2.4) 31(-5.2,-2.4) 33(-4.4,-2.4) 35(-3.6,-2.4) 37(-2.8,-2.4) 39(-2,-2.4) 41(-1.2,-2.4) 43(-0.4,-2.4) 45(3.6,-2.4) 47(4.4,-2.4) 49(5.2,-2.4) 51(6,-2.4) 53(6.8,-2.4) 55(7.6,-2.4) 57(8.4,-2.4) 59(9.2,-2.4) 61(10,-2.4) 63(10.8,-2.4) 65(11.6,-2.4) 67(12.4,-2.4) 69(13.2,-2.4) 71(14,-2.4) 73(14.8,-2.4) 75(15.6,-2.4) 77(16.4,-2.4) 79(17.2,-2.4)
  rect 0.55x2.8 smd mask+0.05: 2(-17.2,-2.4) 4(-16.4,-2.4) 6(-15.6,-2.4) 8(-14.8,-2.4) 10(-14,-2.4) 12(-13.2,-2.4) 14(-12.4,-2.4) 16(-11.6,-2.4) 18(-10.8,-2.4) 20(-10,-2.4) 22(-9.2,-2.4) 24(-8.4,-2.4) 26(-7.6,-2.4) 28(-6.8,-2.4) 30(-6,-2.4) 32(-5.2,-2.4) 34(-4.4,-2.4) 36(-3.6,-2.4) 38(-2.8,-2.4) 40(-2,-2.4) 42(-1.2,-2.4) 44(-0.4,-2.4) 46(3.6,-2.4) 48(4.4,-2.4) 50(5.2,-2.4) 52(6,-2.4) 54(6.8,-2.4) 56(7.6,-2.4) 58(8.4,-2.4) 60(9.2,-2.4) 62(10,-2.4) 64(10.8,-2.4) 66(11.6,-2.4) 68(12.4,-2.4) 70(13.2,-2.4) 72(14,-2.4) 74(14.8,-2.4) 76(15.6,-2.4) 78(16.4,-2.4) 80(17.2,-2.4)
ID_PROJECTREV [mil] "project name + revision number"
IPL1-108-01-L-D-RA-K [mil]
  round 60 hole 40 mask+3: 1(-350,50) 2(-250,50) 3(-150,50) 4(-50,50) 5(50,50) 6(150,50) 7(250,50) 8(350,50) 9(-350,-50) 10(-250,-50) 11(-150,-50) 12(-50,-50) 13(50,-50) 14(150,-50) 15(250,-50) 16(350,-50)
  silkscreen extent -451,-94 451,410, body extent -430,-58 430,434, height 310
LOGO_PARTNERS_1 [mil] "THN, TUM and USACH Logo"
  silkscreen extent -185,-932 194,162
MH_3.4#1 [mm]
  round 3.1 hole 3.4 unplated: 1(0.84,1.512)
MH_3.4#2 [mm]
  round 3.1 hole 3.4 unplated: 1(0.84,0.063)
MSOP8_3X3-8N [mm] "TSOP, 8-Leads, Body 3,00x3,00mm, Pitch 0,65mm, IPC Medium Density"
  rect 1x0.45 smd mask+0.051: 1(-2.25,0.975) 2(-2.25,0.325) 3(-2.25,-0.325) 4(-2.25,-0.975) 5(2.25,-0.975) 6(2.25,-0.325) 7(2.25,0.325) 8(2.25,0.975)
  silkscreen extent -2.92,-1.52 2.92,2.03, body extent -2.47,-1.55 2.47,1.55, height 1.1
MSOP8_3x3-8N [mm] "TSOP, 8-Leads, Body 3,00x3,00mm, Pitch 0,65mm, IPC Medium Density"
  rect 1x0.45 smd mask+0.051: 1(-2.25,0.975) 2(-2.25,0.325) 3(-2.25,-0.325) 4(-2.25,-0.975) 5(2.25,-0.975) 6(2.25,-0.325) 7(2.25,0.325) 8(2.25,0.975)
  silkscreen extent -2.92,-1.52 2.92,2.03, body extent -2.47,-1.55 2.47,1.55, height 1.1
RESC1608X06N [mm] "Chip Resistor, 2-Leads, Body 1,60x0,80mm, IPC Medium Density"
  rect 0.85x0.9 smd: 1(-0.775,0) 2(0.775,0)
  silkscreen extent -0.13,-0.51 0.13,0.51, body extent -0.8,-0.4 0.8,0.4, height 0.44
RESC3216X65N [mm] "Vishay D1206 3.2 x 1.6 (+/- 0.15), 0.2mm - 0.6mm Kontakte"
  rect 1.1x1.8 smd: 1(-1.5,0) 2(1.5,0)
  silkscreen extent -0.55,-0.9 0.55,0.9, body extent -1.6,-0.8 1.6,0.8, height 0.55
RJHSE-5380-02 [mm] "Modular Jack Horizontal Shielded Dual Port 8P8C Tab Up"
  rect 1.4x1.4 hole 0.9: A1(9.906,2.54) B1(25.654,2.54)
  round 1.4 hole 0.9: A2(8.89,4.318) A3(7.874,2.54) A4(6.858,4.318) A5(5.842,2.54) A6(4.826,4.318) A7(3.81,2.54) A8(2.794,4.318) B2(24.638,4.318) B3(23.622,2.54) B4(22.606,4.318) B5(21.59,2.54) B6(20.574,4.318) B7(19.558,2.54) B8(18.542,4.318)
  round 3.25 hole 3.25 unplated: MH1(0,0) MH2(28.448,0)
  round 2.4 hole 1.6: S1(-1.778,3.429) S2(30.226,3.429)
  silkscreen extent -2.03,-5.46 30.48,10.29, body extent -3.5,-5.41 31.95,10.29, height 15.06
SERIAL_6.3X6.3MM [mil]
  silkscreen extent -130,-130 130,130
SMT_INDUCTOR_1050_PERFORMANCE [mm] "SMD Shielded Power Inductor, 2-leads, body 10.3x10.5mm"
  rect 3.6x2.7 smd: 1(0,4) 2(0,-4)
  silkscreen extent -5.15,-5.25 5.15,5.25, body extent -5,-5 5,5, height 4.79
SMT_inductor_1050_Performance [mm] "SMD Shielded Power Inductor, 2-leads, body 10.3x10.5mm"
  rect 3.6x2.7 smd: 1(0,4) 2(0,-4)
  silkscreen extent -5.15,-5.25 5.15,5.25, body extent -5,-5 5,5, height 4.79
SOD-323_SuppressorDiode [mm] "SOD, 2-Leads, Body 1.7x1.25mm"
  rect 0.75x0.83 smd: 1(-1.17,0) 2(1.17,0)
  silkscreen extent -1.24,-0.67 0.4,1.09, body extent -0.85,-0.63 0.85,0.63, height 1.06
SOT95P250X110-5N [mm] "SOT23, 5-Leads, Body 2,92x2,50mm, Pitch 0,95mm, IPC Medium Density"
  rect 1.22x0.6 smd: 1(-1.31,0.95) 2(-1.31,0) 3(-1.31,-0.95)
  rect 1.22x0.62 smd: 4(1.31,-0.95) 5(1.31,0.95)
  silkscreen extent -1.43,-1.5 0.5,1.93, body extent -0.87,-1.52 0.87,1.52, height 1.1
SOT95P280X100-6N [mm] "SOT23, 6-Leads, Body 2,90x2,80mm, Pitch 0,95mm, IPC Medium Density"
  rect 1.22x0.6 smd: 1(-1.31,0.95) 2(-1.31,0) 3(-1.31,-0.95) 4(1.31,-0.95) 5(1.31,0) 6(1.31,0.95)
  silkscreen extent -1.43,-1.5 0.5,1.93, body extent -0.87,-1.5 0.87,1.5, height 1
"THS4524 FOOTPRINT" [mm] "THS4524 4Ch Dif Amp, TSSOP"
  oval 1.6x0.3 smd mask+0.05: 1(-2.8,4.5) 2(-2.8,4) 3(-2.8,3.5) 4(-2.8,3) 5(-2.8,2.5) 6(-2.8,2) 7(-2.8,1.5) 8(-2.8,1) 9(-2.8,0.5) 10(-2.8,0) 11(-2.8,-0.5) 12(-2.8,-1) 13(-2.8,-1.5) 14(-2.8,-2) 15(-2.8,-2.5) 16(-2.8,-3) 17(-2.8,-3.5) 18(-2.8,-4) 19(-2.8,-4.5) 20(2.8,-4.5) 21(2.8,-4) 22(2.8,-3.5) 23(2.8,-3) 24(2.8,-2.5) 25(2.8,-2) 26(2.8,-1.5) 27(2.8,-1) 28(2.8,-0.5) 29(2.8,0) 30(2.8,0.5) 31(2.8,1) 32(2.8,1.5) 33(2.8,2) 34(2.8,2.5) 35(2.8,3) 36(2.8,3.5) 37(2.8,4) 38(2.8,4.5)
  silkscreen extent -2.93,-4.9 1.8,5.32, body extent -2.25,-4.9 2.25,4.9, height 1.2
TP_1MM [mm]
  round 1 smd paste-1: 1(0,0)
  silkscreen extent -0.75,-0.75 0.75,0.75
TP_1mm [mm]
  round 1 smd paste-1: 1(0,0)
  silkscreen extent -0.75,-0.75 0.75,0.75
TSOP65P490X110-8N [mm] "TSOP, 8-Leads, Body 3,00x3,00mm, Pitch 0,65mm, IPC Medium Density"
  rect 1.45x0.45 smd: 1(-2.2,0.975) 2(-2.2,0.325) 3(-2.2,-0.325) 4(-2.2,-0.975) 5(2.2,-0.975) 6(2.2,-0.325) 7(2.2,0.325) 8(2.2,0.975)
  silkscreen extent -2.32,-1.55 1.15,1.87, body extent -1.55,-1.55 1.55,1.55, height 1.1